# KiCad board SF_01 Compute Board.kicad_pcb
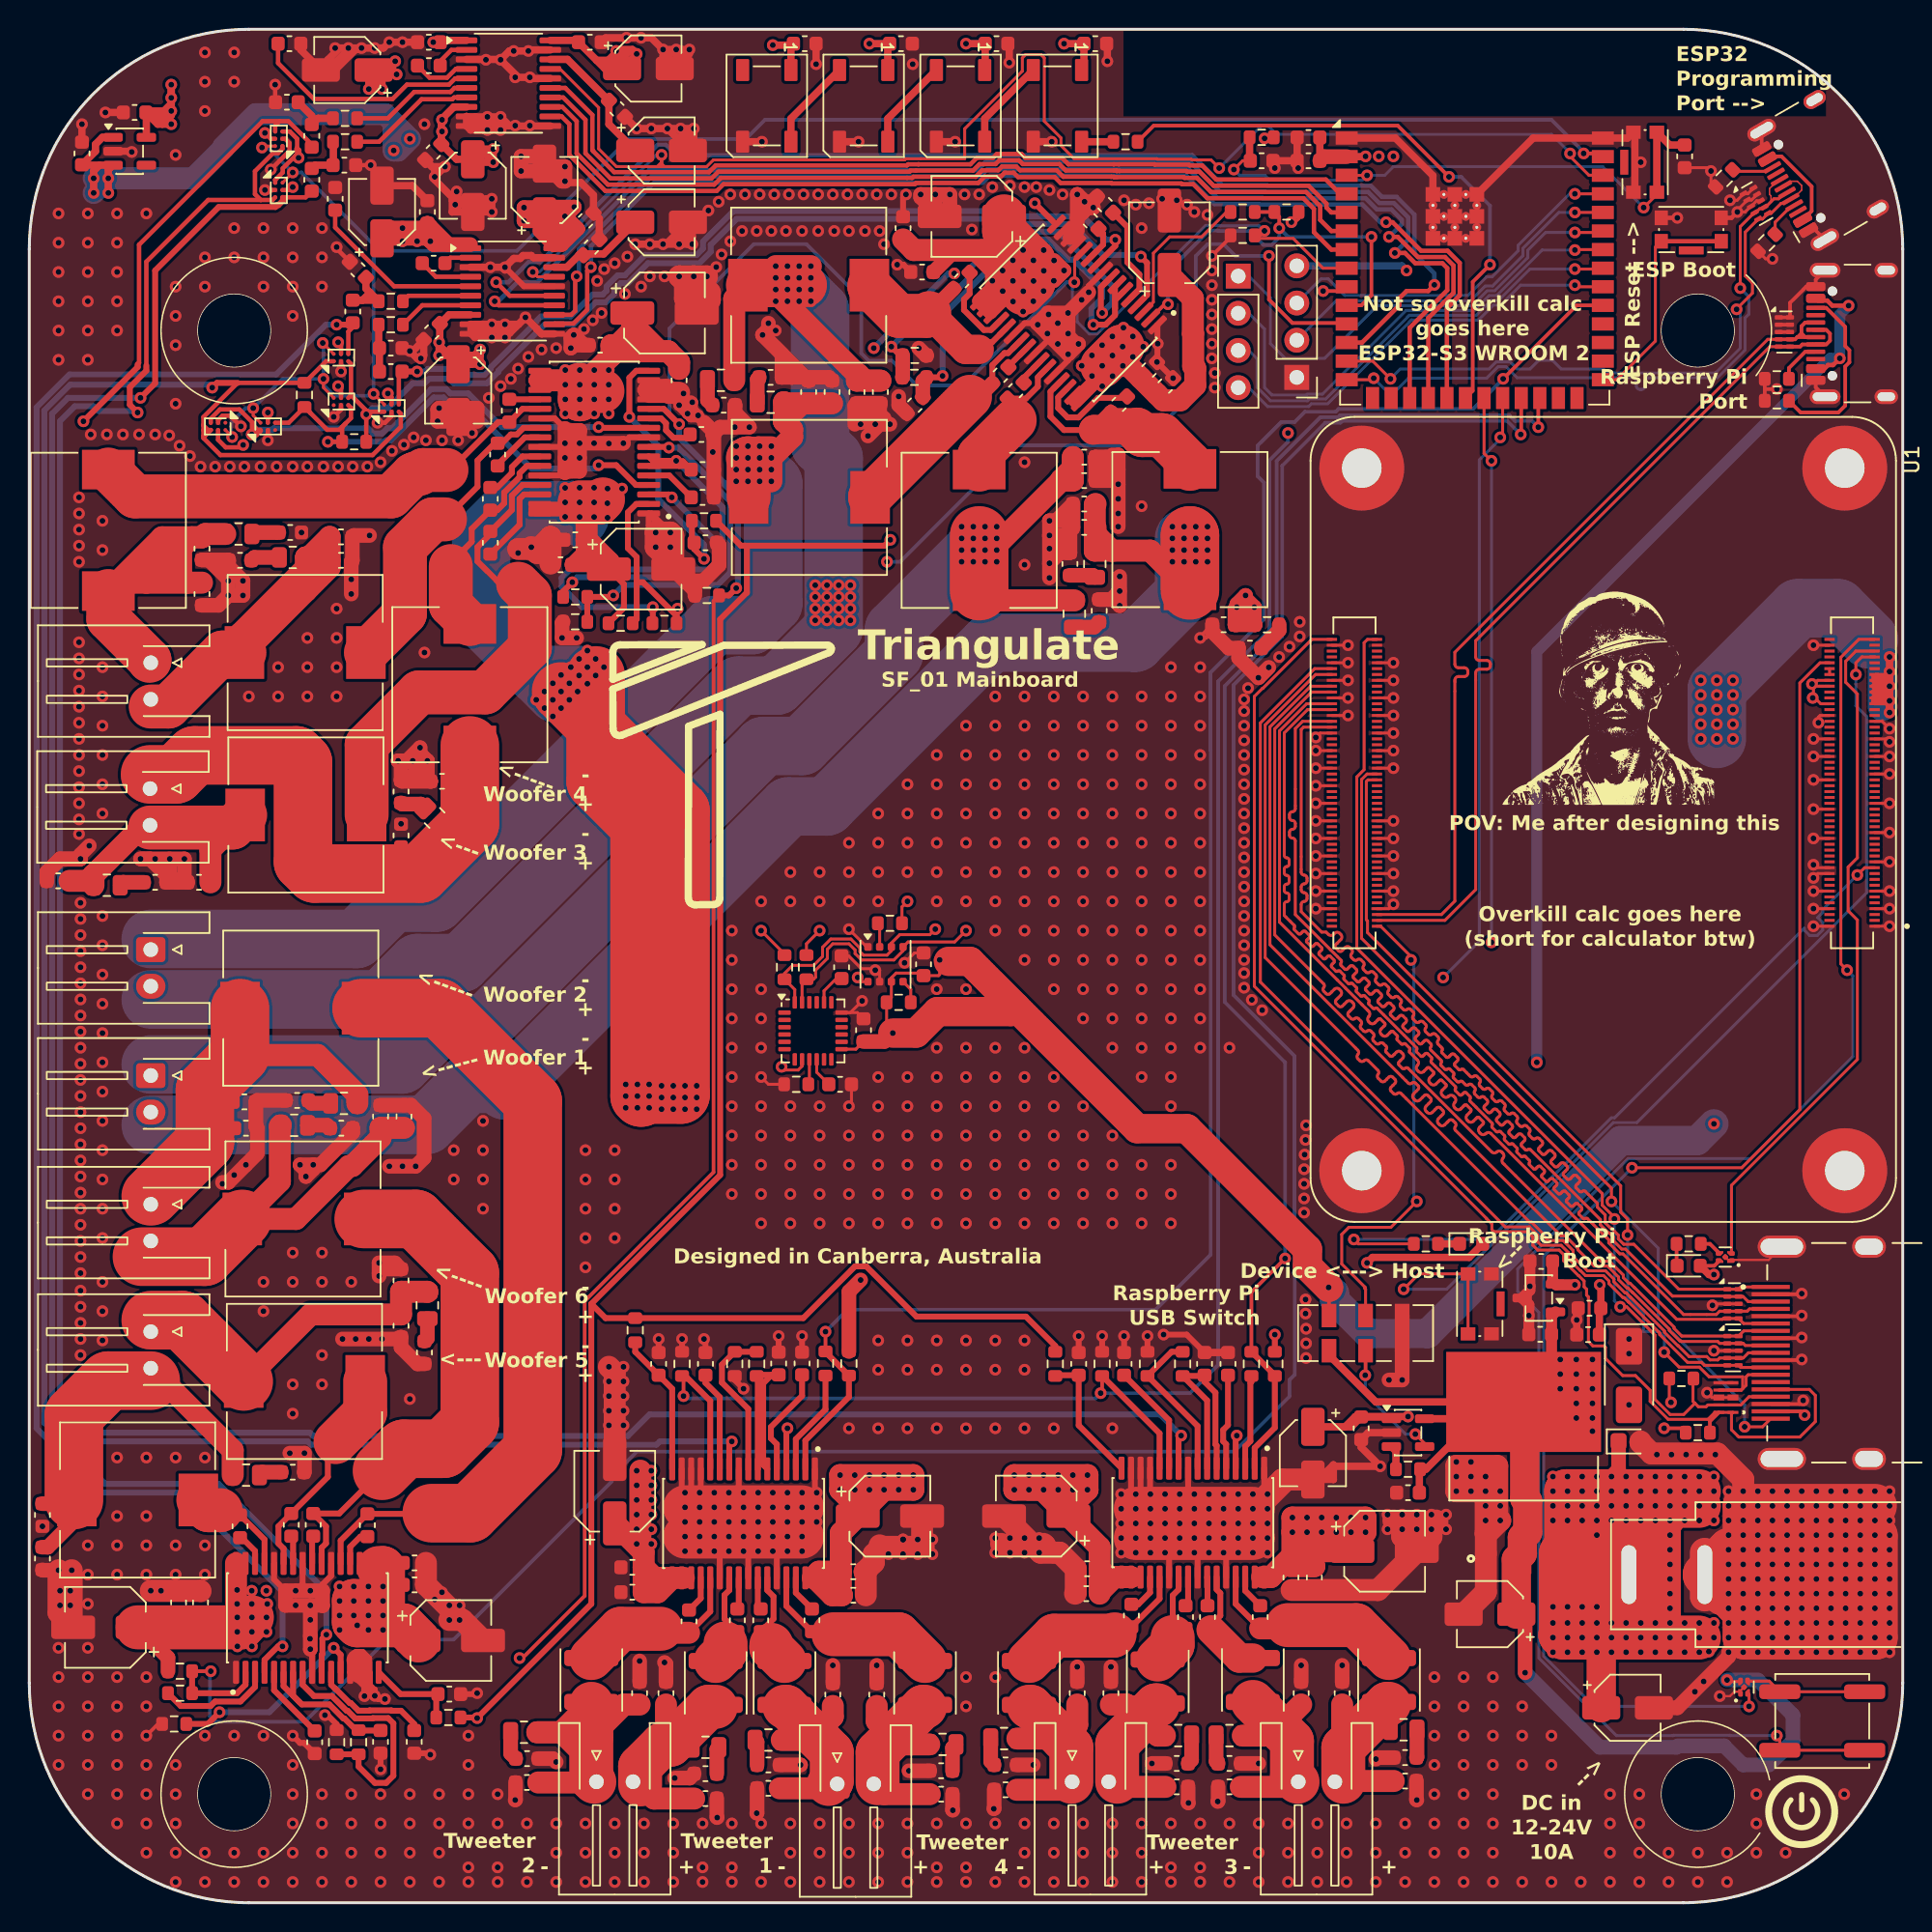
[diagram p0: board, top side]
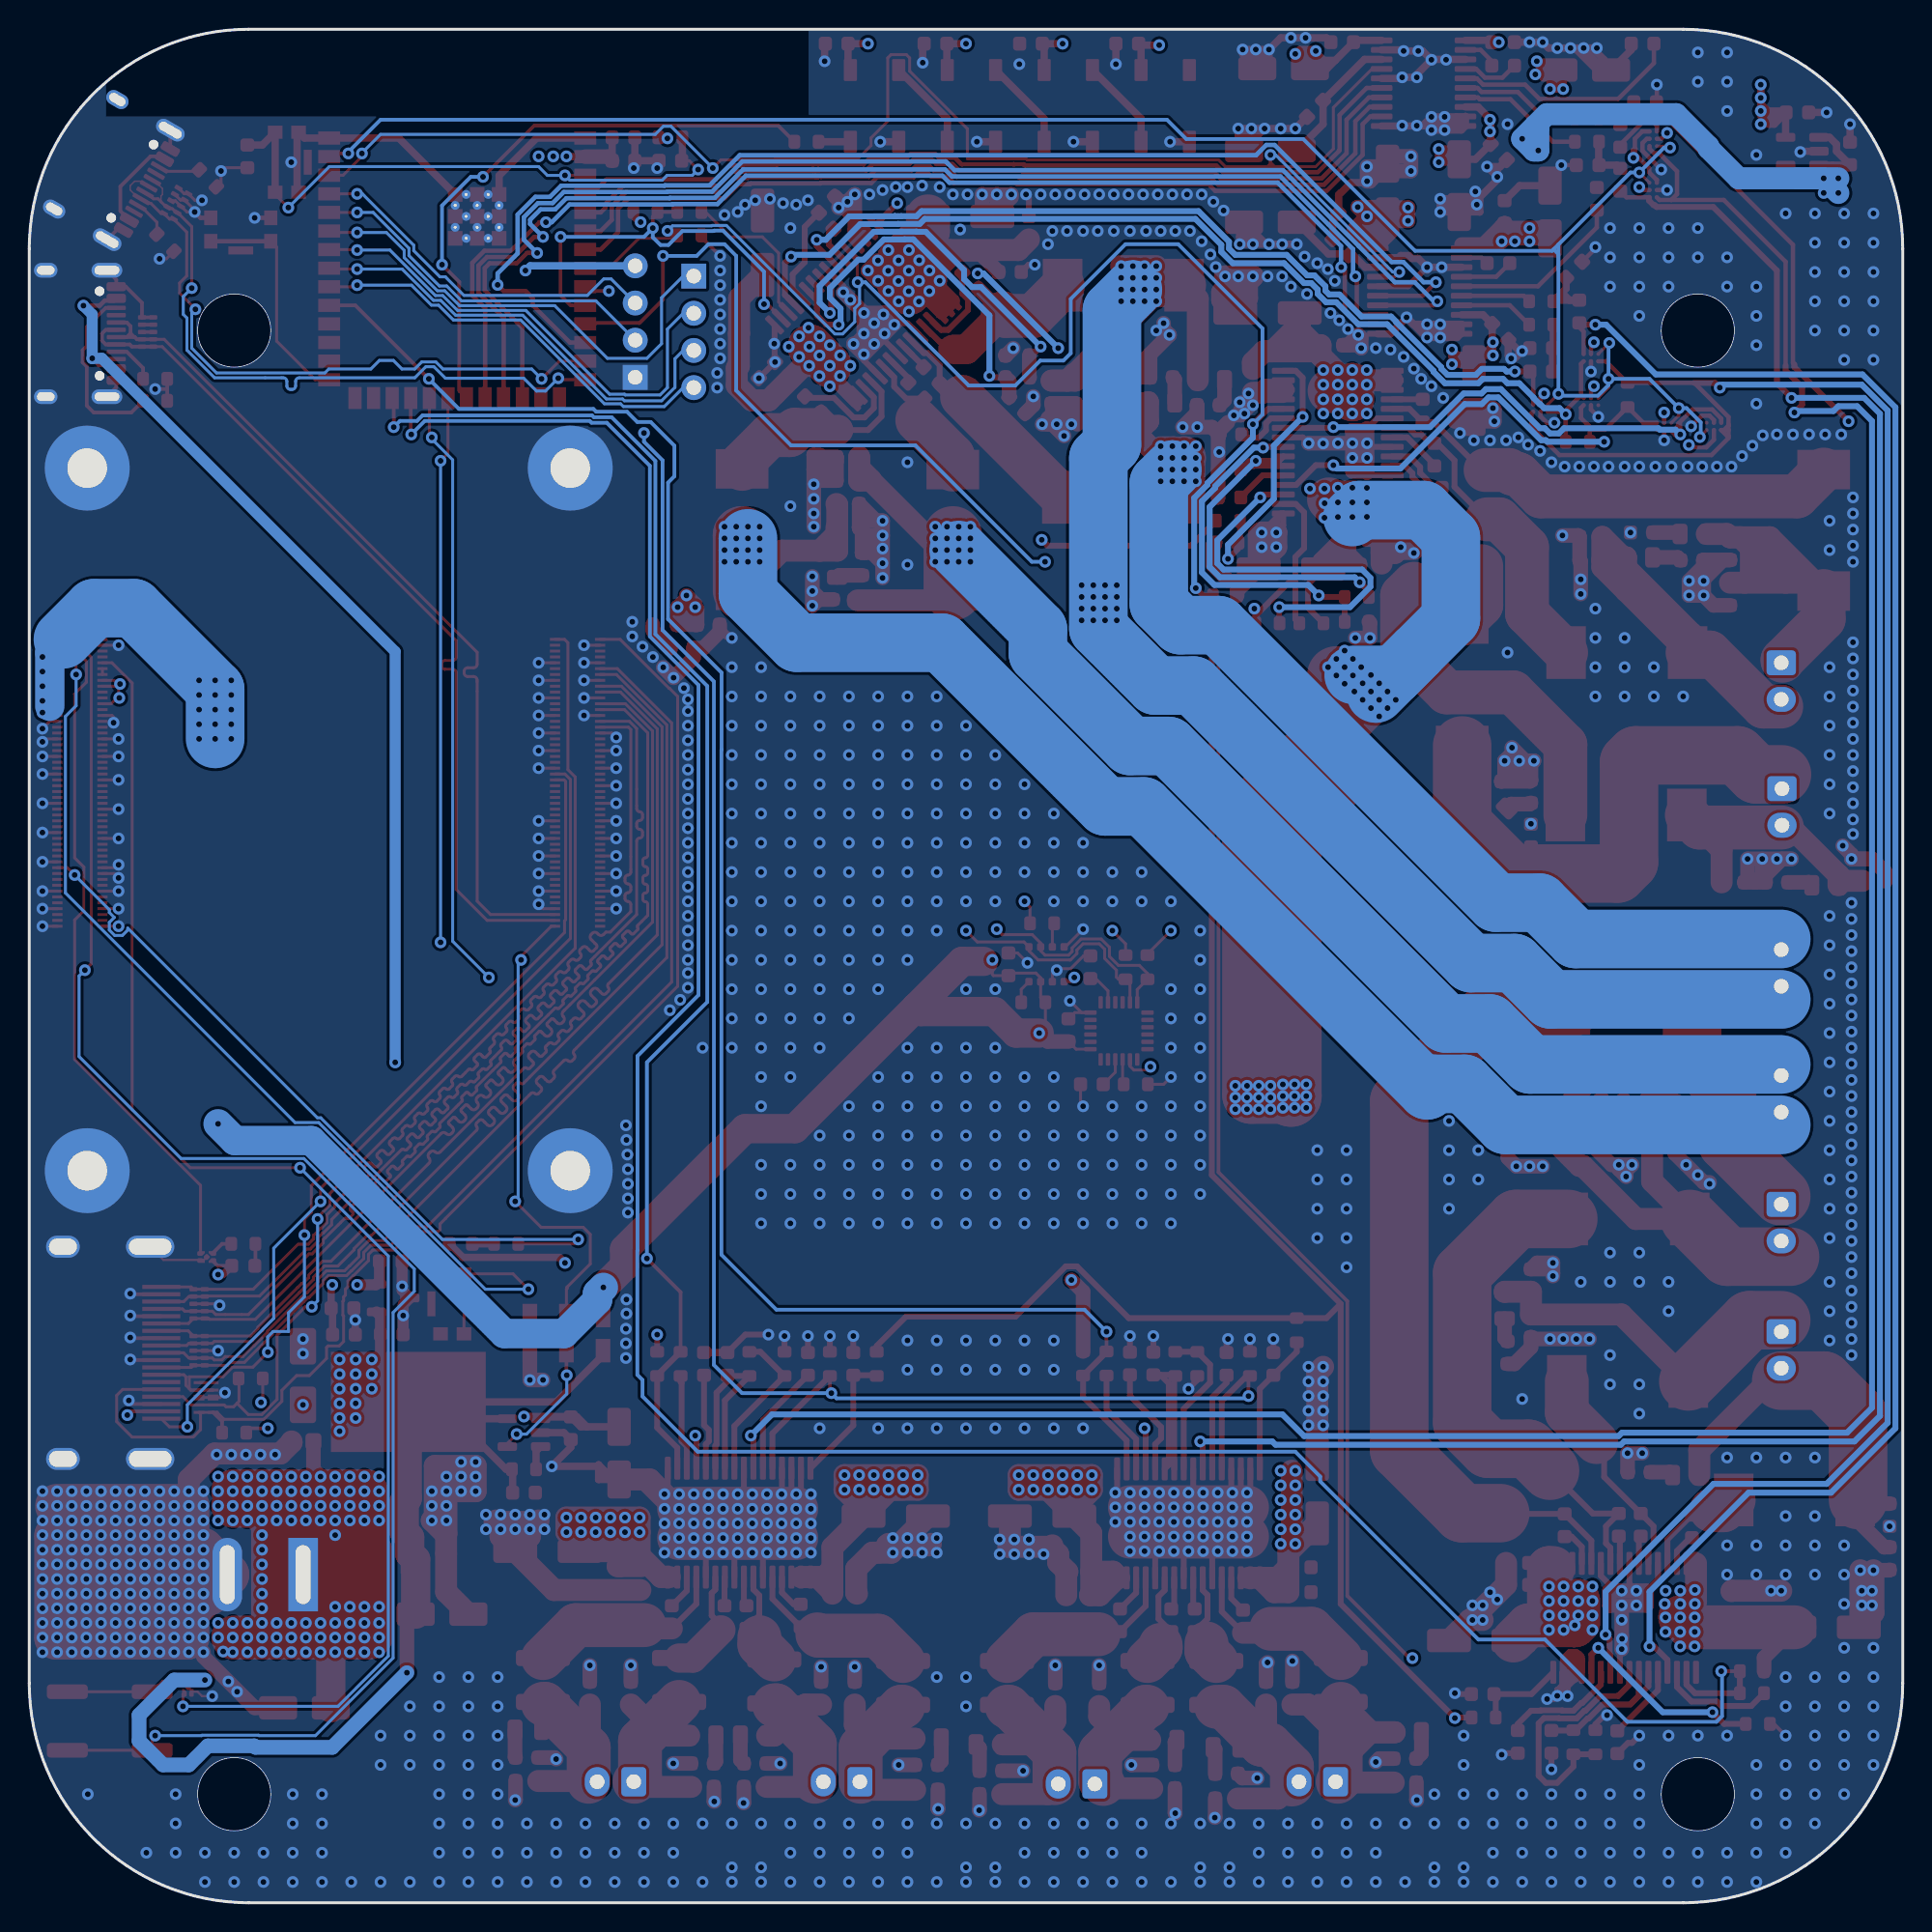
[diagram p1: board, bottom side, seen from below]

Outline 128 x 128 mm; copper layers: Top, In1.Cu, In2.Cu, Bottom. Coordinates in mm from the lower left corner of the outline.
Outline path: circle c14,107.42 r2.5 ; circle c14,7.42 r2.5 ; circle c114,107.42 r2.5 ; circle c114,7.42 r2.5 ; 0,113 arc(4.39,123.61) 15,128 113,128 arc(123.61,123.61) 128,113 128,15 arc(123.61,4.39) 113,0 15,0 arc(4.39,4.39) 0,15 0,113
Stack: Top 0.035mm / dielectric 0.1mm FR4 er 4.5 / In1.Cu 0.035mm / dielectric 1.24mm FR4 er 4.5 / In2.Cu 0.035mm / dielectric 0.1mm FR4 er 4.5 / Bottom 0.035mm

## Placement (name value [footprint] x y rotation side)
C1  100nF  [C_0603_1608Metric]  106.5 38.82 180 top
C2  1uF  [C_0603_1608Metric]  106.6 40.62 180 top
C3  10uF  [CP_Elec_4x3]  109.2 13.32 0 top
C4  100nF  [C_0603_1608Metric]  103.23 38.84 180 top
C5  100nF  [C_0603_1608Metric]  103.3 43.82 180 top
C6  22uF  [C_0603_1608Metric]  87.4 119.02 180 top
C7  100nF  [C_0603_1608Metric]  87.4 120.61 180 top
C8  1uF  [C_0603_1608Metric]  84.2 119.02 180 top
C9  100nF  [C_0603_1608Metric]  113.1 119.32 270 top
C10  2.2nF  [C_0603_1608Metric]  21.53 118.72 0 top
C11  2.2nF  [C_0603_1608Metric]  17.6 123.02 0 top
C12  1uF  [C_0603_1608Metric]  3.6 119.52 270 top
C13  1uF  [C_0603_1608Metric]  7.2 122.32 0 top
C14  100nF  [C_0603_1608Metric]  27.6 119.62 45 top
C15  10uF  [CP_Elec_4x3]  30.3 117.32 270 top
C16  10uF  [CP_Elec_4x3]  21.72 125.22 180 top
C17  100nF  [C_0603_1608Metric]  27.3 127.12 0 top
C18  10uF  [CP_Elec_4x3]  42.3 125.32 0 top
C19  100nF  [C_0603_1608Metric]  38.3 127.12 180 top
C20  2.2uF  [C_0603_1608Metric]  27.3 125.52 180 top
C21  2.2uF  [C_0603_1608Metric]  17.78 127.02 0 top
C22  10uF  [CP_Elec_4x3]  43.2 119.72 0 top
C23  100nF  [C_0603_1608Metric]  40.15 122.56 135 top
C24  10nF  [C_0603_1608Metric]  81.6 87.32 180 top
C25  10uF  [CP_Elec_4x3]  35.2 117.02 90 top
C26  100nF  [C_0603_1608Metric]  38 114.92 225 top
C27  10uF  [CP_Elec_4x3]  24.1 115.52 90 top
C28  100nF  [C_0603_1608Metric]  27.2 115.52 270 top
C29  2.2uF  [C_0603_1608Metric]  27.62 112.02 180 top
C30  2.2uF  [C_0603_1608Metric]  20.9 116.42 90 top
C31  100nF  [C_0603_1608Metric]  27.5 107.32 45 top
C32  10uF  [CP_Elec_4x3]  29.3 103.32 270 top
C33  10uF  [CP_Elec_4x3]  43.2 114.82 0 top
C34  100nF  [C_0603_1608Metric]  38.4 113.12 225 top
C35  2.2nF  [C_0603_1608Metric]  22.45 111.56 315 top
C36  2.2nF  [C_0603_1608Metric]  24.7 106.22 0 top
C37  100nF  [C_0603_1608Metric]  52.98 127.02 180 top
C38  100nF  [C_0603_1608Metric]  59.56 127.02 180 top
C39  100nF  [C_0603_1608Metric]  66.08 127.02 180 top
C40  10uF  [CP_Elec_4x3]  99.8 19.72 180 top
C41  10uF (Tantalum)  [CP_EIA-1608-08_AVX-J]  109.3 31.52 0 top
C42  100nF  [C_0603_1608Metric]  72.83 127.02 180 top
C43  100nF  [C_0603_1608Metric]  83.4 85.72 180 top
C44  1uF  [C_0603_1608Metric]  73.5 116.02 315 top
C45  100nF  [C_0603_1608Metric]  94.2 28.02 0 top
C46  1uF  [C_0603_1608Metric]  72.5 114.92 315 top
C47  100nF  [C_0603_1608Metric]  91 32.42 90 top
C48  1uF  [C_0603_1608Metric]  60.5 102.32 45 top
C49  1nF  [C_0603_1608Metric]  61 111.42 180 top
C50  100nF  [C_0603_1608Metric]  59.7 114.42 90 top
C51  220uF  [CP_Elec_5x5.3]  64.4 115.22 180 top
C52  1nF  [C_0603_1608Metric]  76.5 104.72 45 top
C53  100nF  [C_0603_1608Metric]  77.6 103.62 45 top
C54  220uF  [CP_Elec_5x5.3]  77.9 113.42 90 top
C55  220nF  [C_0603_1608Metric]  74.45 102.37 225 top
C56  220nF  [C_0603_1608Metric]  67.4 103.31 225 top
C57  220nF  [C_0603_1608Metric]  66.35 104.36 225 top
C58  220nF  [C_0603_1608Metric]  63.7 110.82 225 top
C59  680nF  [C_0603_1608Metric]  72.07 93.97 0 top
C60  680nF  [C_0603_1608Metric]  72.07 97.17 0 top
C61  1nF  [C_0603_1608Metric]  72.07 95.57 0 top
C62  1nF  [C_0603_1608Metric]  72.07 98.77 0 top
C63  10nF  [C_0603_1608Metric]  73.1 88.27 90 top
C64  10nF  [C_0603_1608Metric]  71.1 91.47 270 top
C65  680nF  [C_0603_1608Metric]  54.85 103.22 270 top
C66  680nF  [C_0603_1608Metric]  56.55 103.22 270 top
C67  1nF  [C_0603_1608Metric]  53.25 103.22 270 top
C68  1nF  [C_0603_1608Metric]  58.15 103.22 270 top
C69  10nF  [C_0603_1608Metric]  50.65 104.22 180 top
C70  10nF  [C_0603_1608Metric]  47.45 102.32 0 top
C71  2.2nF  [C_0603_1608Metric]  55.5 63.92 90 top
C72  100nF  [C_0603_1608Metric]  55.4 55.92 0 top
C73  22uF  [CP_Elec_4x3]  87.7 30.72 270 top
C75  1uF  [C_0603_1608Metric]  46 97.92 180 top
C76  1uF  [C_0603_1608Metric]  46 96.02 180 top
C77  1uF  [C_0603_1608Metric]  45.92 100.32 180 top
C78  220uF  [CP_Elec_5x5.3]  43.4 108.62 0 top
C79  1nF  [C_0603_1608Metric]  37.3 93.12 180 top
C80  100nF  [C_0603_1608Metric]  44.4 104.02 270 top
C81  100nF  [C_0603_1608Metric]  36.3 91.42 180 top
C82  1nF  [C_0603_1608Metric]  39 106.42 180 top
C83  220uF  [CP_Elec_5x5.3]  41.8 91.12 0 top
C84  220nF  [C_0603_1608Metric]  31.5 92.92 90 top
C85  220nF  [C_0603_1608Metric]  31.5 95.92 270 top
C86  220nF  [C_0603_1608Metric]  32 98.94 90 top
C87  220nF  [C_0603_1608Metric]  32.8 101.94 270 top
C88  680nF  [C_0603_1608Metric]  11.6 69.72 0 top
C89  680nF  [C_0603_1608Metric]  28.2 76.62 180 top
C90  680nF  [C_0603_1608Metric]  21.3 91.72 180 top
C91  680nF  [C_0603_1608Metric]  11.8 89.42 270 top
C92  1nF  [C_0603_1608Metric]  1.97 69.82 0 top
C93  1nF  [C_0603_1608Metric]  25.4 72.92 90 top
C94  1nF  [C_0603_1608Metric]  21.3 93.32 180 top
C95  1nF  [C_0603_1608Metric]  11.8 92.52 270 top
C96  10nF  [C_0603_1608Metric]  8.6 69.72 180 top
C97  10nF  [C_0603_1608Metric]  25.4 75.92 90 top
C98  10nF  [C_0603_1608Metric]  14.4 91.72 0 top
C99  10nF  [C_0603_1608Metric]  17.83 93.62 0 top
C102  1uF  [C_0603_1608Metric]  24 10.99 90 top
C103  1uF  [C_0603_1608Metric]  19.5 10.97 90 top
C104  220uF  [CP_Elec_5x5.3]  5.2 18.82 180 top
C105  1uF  [C_0603_1608Metric]  26.3 10.99 90 top
C106  100nF  [C_0603_1608Metric]  10.2 20.52 90 top
C107  1nF  [C_0603_1608Metric]  11.7 20.52 90 top
C108  1nF  [C_0603_1608Metric]  26.33 23.22 0 top
C109  100nF  [C_0603_1608Metric]  26.33 21.72 0 top
C110  220uF  [CP_Elec_5x5.3]  28.8 17.92 0 top
C111  220nF  [C_0603_1608Metric]  14.4 25.72 90 top
C112  220nF  [C_0603_1608Metric]  17.9 25.82 90 top
C113  220nF  [C_0603_1608Metric]  19.4 25.82 90 top
C114  220nF  [C_0603_1608Metric]  23.1 25.79 90 top
C115  680nF  [C_0603_1608Metric]  0.9 23.52 90 top
C116  680nF  [C_0603_1608Metric]  25.4 42.52 90 top
C117  680nF  [C_0603_1608Metric]  25.6 53.72 270 top
C118  680nF  [C_0603_1608Metric]  14.7 54.72 0 top
C119  1nF  [C_0603_1608Metric]  0.9 26.49 90 top
C120  1nF  [C_0603_1608Metric]  25.4 39.42 270 top
C121  1nF  [C_0603_1608Metric]  24 53.72 270 top
C122  1nF  [C_0603_1608Metric]  14.8 52.92 0 top
C123  10nF  [C_0603_1608Metric]  18 29.42 180 top
C124  10nF  [C_0603_1608Metric]  27 37.59 270 top
C125  10nF  [C_0603_1608Metric]  21.33 52.92 180 top
C126  10nF  [C_0603_1608Metric]  18.3 54.82 180 top
C127  1nF  [C_0603_1608Metric]  46.2 92.92 0 top
C128  1nF  [C_0603_1608Metric]  28.7 14.25 0 top
C131  1uF  [C_0603_1608Metric]  51.2 36.84 270 top
C132  1uF  [C_0603_1608Metric]  52.8 36.84 270 top
C133  220uF  [CP_Elec_5x5.3]  40 28.12 90 top
C134  1uF  [C_0603_1608Metric]  46.2 36.82 270 top
C135  100nF  [C_0603_1608Metric]  41.2 22.92 180 top
C136  1nF  [C_0603_1608Metric]  41.2 21.22 180 top
C137  1nF  [C_0603_1608Metric]  56.3 22.62 0 top
C138  100nF  [C_0603_1608Metric]  56.3 21.01 0 top
C139  220uF  [CP_Elec_5x5.3]  58.8 26.42 0 top
C140  1nF  [C_0603_1608Metric]  43 36.82 90 top
C141  220nF  [C_0603_1608Metric]  53.47 19.3 270 top
C142  220nF  [C_0603_1608Metric]  49.97 19.3 270 top
C143  220nF  [C_0603_1608Metric]  48.38 19.3 270 top
C144  220nF  [C_0603_1608Metric]  45.08 19.22 270 top
C145  680nF  [C_0603_1608Metric]  62.3 7.42 180 top
C146  680nF  [C_0603_1608Metric]  50.5 7.82 180 top
C147  680nF  [C_0603_1608Metric]  43.5 14.32 270 top
C148  680nF  [C_0603_1608Metric]  41.7 14.32 90 top
C149  1nF  [C_0603_1608Metric]  57.9 14.22 270 top
C150  1nF  [C_0603_1608Metric]  54.9 14.22 90 top
C151  1nF  [C_0603_1608Metric]  46.2 7.12 180 top
C152  1nF  [C_0603_1608Metric]  34 8.22 180 top
C153  10nF  [C_0603_1608Metric]  62.3 9.02 0 top
C154  10nF  [C_0603_1608Metric]  50.5 9.42 0 top
C155  10nF  [C_0603_1608Metric]  46.2 8.82 0 top
C156  10nF  [C_0603_1608Metric]  34.01 9.85 0 top
C157  1uF  [C_0603_1608Metric]  19.3 117.72 270 top
C158  1uF  [C_0603_1608Metric]  19.3 120.72 270 top
C159  1uF  [C_0603_1608Metric]  80.3 36.82 270 top
C160  1uF  [C_0603_1608Metric]  81.9 36.82 270 top
C161  220uF  [CP_Elec_5x5.3]  92.6 24.02 0 top
C162  1uF  [C_0603_1608Metric]  74.8 36.82 270 top
C163  100nF  [C_0603_1608Metric]  86.2 22.22 270 top
C164  1nF  [C_0603_1608Metric]  87.8 22.22 270 top
C165  1nF  [C_0603_1608Metric]  72.28 22.82 180 top
C166  100nF  [C_0603_1608Metric]  72.22 21.12 180 top
C167  220uF  [CP_Elec_5x5.3]  68.8 26.42 180 top
C168  1nF  [C_0603_1608Metric]  71.7 36.82 90 top
C169  220nF  [C_0603_1608Metric]  84.1 19.52 270 top
C170  220nF  [C_0603_1608Metric]  80.5 19.52 270 top
C171  220nF  [C_0603_1608Metric]  79 19.52 270 top
C172  220nF  [C_0603_1608Metric]  75.3 19.62 270 top
C173  680nF  [C_0603_1608Metric]  94 8.32 180 top
C174  680nF  [C_0603_1608Metric]  82 7.92 180 top
C175  680nF  [C_0603_1608Metric]  78.4 7.92 180 top
C176  680nF  [C_0603_1608Metric]  66.7 7.72 180 top
C177  1nF  [C_0603_1608Metric]  89.7 14.32 270 top
C178  1nF  [C_0603_1608Metric]  86.9 14.32 90 top
C179  1nF  [C_0603_1608Metric]  73.9 14.32 270 top
C180  1nF  [C_0603_1608Metric]  71.6 14.32 90 top
C181  10nF  [C_0603_1608Metric]  94 9.92 0 top
C182  10nF  [C_0603_1608Metric]  82 9.52 0 top
C183  10nF  [C_0603_1608Metric]  78.4 9.52 0 top
C184  10nF  [C_0603_1608Metric]  66.7 9.42 0 top
C185  100nF  [C_0603_1608Metric]  57 59.62 90 top
C186  100nF  [C_0603_1608Metric]  61.1 64.12 90 top
C188  1uF  [C_0603_1608Metric]  22.1 108.72 270 top
C190  1uF  [C_0603_1608Metric]  24.7 104.62 0 top
CR1  SP3010-04UTG  [UDFEN-10_MO229_LTF]  115.92 34.52 180 top
D1  SMAJ33CA  [D_SMA]  109.3 36.02 270 top
D2  WS2812B  [LED_WS2812B_PLCC4_5.0x5.0mm_P3.2mm]  70.25 122.77 270 top
D3  LED  [LED_0603_1608Metric]  98.51 45.02 0 top
D4  LED  [LED_0603_1608Metric]  113.38 43.52 0 top
D5  WS2812B  [LED_WS2812B_PLCC4_5.0x5.0mm_P3.2mm]  63.63 122.77 270 top
D6  WS2812B  [LED_WS2812B_PLCC4_5.0x5.0mm_P3.2mm]  57.01 122.77 270 top
D7  WS2812B  [LED_WS2812B_PLCC4_5.0x5.0mm_P3.2mm]  50.39 122.77 270 top
G***  -  [LOGO]  107.6 82.52 0 top
G***#2  -  [LOGO]  121.1 6.22 0 top
J1  SS-53200-001  [STEWART_SS-53200-001]  125.7 37.57 90 top
J2  Barrel_Jack  [BarrelJack_SwitchcraftConxall_RAPC10U_Horizontal]  109.29 22.42 180 top
J3  UART  [PinHeader_1x04_P2.54mm_Vertical]  86.6 104.22 180 top
J4  JTAG  [PinHeader_1x04_P2.54mm_Vertical]  82.6 111.14 0 top
J5  SUBWOOFER_1  [JST_XH_S2B-XH-A-1_1x02_P2.50mm_Horizontal]  8.3 56.52 270 top
J6  SUBWOOFER_2  [JST_XH_S2B-XH-A-1_1x02_P2.50mm_Horizontal]  8.3 65.12 270 top
J7  SUBWOOFER_3  [JST_XH_S2B-XH-A-1_1x02_P2.50mm_Horizontal]  8.25 76.12 270 top
J8  SUBWOOFER_4  [JST_XH_S2B-XH-A-1_1x02_P2.50mm_Horizontal]  8.3 84.72 270 top
J9  SUBWOOFER_5  [JST_XH_S2B-XH-A-1_1x02_P2.50mm_Horizontal]  8.3 39.02 270 top
J10  SUBWOOFER_6  [JST_XH_S2B-XH-A-1_1x02_P2.50mm_Horizontal]  8.3 47.72 270 top
J11  TWEETER_1  [JST_XH_S2B-XH-A-1_1x02_P2.50mm_Horizontal]  55.2 8.12 0 top
J12  TWEETER_2  [JST_XH_S2B-XH-A-1_1x02_P2.50mm_Horizontal]  38.75 8.27 0 top
J13  TWEETER_3  [JST_XH_S2B-XH-A-1_1x02_P2.50mm_Horizontal]  86.7 8.27 0 top
J14  TWEETER_4  [JST_XH_S2B-XH-A-1_1x02_P2.50mm_Horizontal]  71.25 8.27 0 top
J15  USB_C_Receptacle_USB2.0_16P  [USB_C_Receptacle_HCTL_HC-TYPE-C-16P-01A]  125.8 107.22 90 top
J16  USB_C_Receptacle_USB2.0_16P  [USB_C_Receptacle_HCTL_HC-TYPE-C-16P-01A#2]  123.21 118.92 120 top
L1  10uH/10A  [L_10.4x10.4_H4.8]  79.3 93.82 270 top
L2  10uH/10A  [L_10.4x10.4_H4.8]  64.9 93.77 270 top
L3  10uH/10A  [L_10.4x10.4_H4.8]  53.3 96.02 180 top
L4  10uH/10A  [L_10.4x10.4_H4.8]  53.25 110.52 180 top
L5  10uH/10A  [L_10.4x10.4_H4.8]  18.9 74.32 180 top
L6  10uH/10A  [L_10.4x10.4_H4.8]  30.1 83.22 270 top
L7  10uH/10A  [L_10.4x10.4_H4.8]  18.85 85.42 180 top
L8  10uH/10A  [L_10.4x10.4_H4.8]  5.4 93.77 270 top
L9  10uH/10A  [L_10.4x10.4_H4.8]  7.4 27.52 180 top
L10  10uH/10A  [L_10.4x10.4_H4.8]  18.8 35.62 180 top
L11  10uH/10A  [L_10.4x10.4_H4.8]  18.7 46.72 180 top
L12  10uH/10A  [L_10.4x10.4_H4.8]  18.55 61.12 180 top
L13  10uH/3A  [L_APV_ANR4020]  61.2 15.02 270 top
L14  10uH/3A  [L_APV_ANR4020]  51.6 15.02 270 top
L15  10uH/3A  [L_APV_ANR4020]  46.9 15.02 270 top
L16  10uH/3A  [L_APV_ANR4020]  38.4 15.22 270 top
L17  10uH/3A  [L_APV_ANR4020]  92.9 15.22 270 top
L18  10uH/3A  [L_APV_ANR4020]  83.6 15.22 270 top
L19  10uH/3A  [L_APV_ANR4020]  77.1 15.12 270 top
L20  10uH/3A  [L_APV_ANR4020]  68.3 15.02 270 top
R1  2.2K  [R_0603_1608Metric]  114 32.12 180 top
R2  2.2K  [R_0603_1608Metric]  112.88 35.82 180 top
R3  5.1K  [R_0603_1608Metric]  119.4 104.12 0 top
R4  10K  [R_0603_1608Metric]  84.2 120.62 180 top
R5  1K  [R_0603_1608Metric]  95.42 45.02 0 top
R6  1K  [R_0603_1608Metric]  113.38 45.02 180 top
R7  5.1K  [R_0603_1608Metric]  118.7 113.42 45 top
R8  470R  [R_0603_1608Metric]  21.58 121.92 180 top
R9  470R  [R_0603_1608Metric]  21.58 120.32 180 top
R10  470R  [R_0603_1608Metric]  24.7 109.42 180 top
R11  470R  [R_0603_1608Metric]  24.7 107.82 180 top
R12  10K  [R_0603_1608Metric]  94.2 29.62 180 top
R14  220R  [R_0603_1608Metric]  74.9 120.32 0 top
R15  3.3R  [R_0603_1608Metric]  84.57 87.32 0 top
R16  100K  [R_0603_1608Metric]  85.9 115.52 180 top
R17  100K  [R_0603_1608Metric]  82.9 115.52 0 top
R18  100K  [R_0603_1608Metric]  60.47 104.22 180 top
R19  20K  [R_0603_1608Metric]  60.5 105.72 180 top
R20  100K  [R_0603_1608Metric]  82.9 113.92 0 top
R21  3.3R  [R_0805_2012Metric]  72.8 91.47 270 top
R22  3.3R  [R_0805_2012Metric]  71.4 88.07 90 top
R23  3.3R  [R_0805_2012Metric]  50.65 102.52 180 top
R24  3.3R  [R_0805_2012Metric]  47.25 104.02 0 top
R25  10K  [R_0603_1608Metric]  46.1 94.42 180 top
R26  100K  [R_0603_1608Metric]  40.4 87.42 0 top
R27  100K  [R_0603_1608Metric]  46.3 89.32 0 top
R28  47K  [R_0603_1608Metric]  37.3 89.22 0 top
R29  75K  [R_0603_1608Metric]  37.3 87.52 0 top
R30  100K  [R_0603_1608Metric]  43.4 87.42 0 top
R31  3.3R  [R_0805_2012Metric]  5.3 69.52 0 top
R32  3.3R  [R_0805_2012Metric]  27.7 74.12 315 top
R33  3.3R  [R_0805_2012Metric]  18 91.92 180 top
R34  3.3R  [R_0805_2012Metric]  14.3 93.52 180 top
R35  100K  [R_0603_1608Metric]  10.3 15.82 0 top
R36  100K  [R_0603_1608Metric]  9.9 12.22 0 top
R37  47K  [R_0603_1608Metric]  22.5 10.97 270 top
R38  75K  [R_0603_1608Metric]  21 10.97 270 top
R39  100K  [R_0603_1608Metric]  10.3 14.32 0 top
R40  3.3R  [R_0805_2012Metric]  14.81 29.22 0 top
R41  3.3R  [R_0805_2012Metric]  27.2 40.82 90 top
R42  3.3R  [R_0805_2012Metric]  18.1 53.12 0 top
R43  3.3R  [R_0805_2012Metric]  21.5 54.62 0 top
R44  10K  [R_0603_1608Metric]  28.63 12.65 180 top
R45  100K  [R_0603_1608Metric]  56 36.84 270 top
R46  100K  [R_0603_1608Metric]  44.6 36.82 270 top
R47  47K  [R_0603_1608Metric]  49.7 36.82 90 top
R48  75K  [R_0603_1608Metric]  48.2 36.82 90 top
R49  10K  [R_0603_1608Metric]  41.4 39.12 270 top
R50  100K  [R_0603_1608Metric]  54.4 36.84 90 top
R51  3.3R  [R_0805_2012Metric]  62.4 10.82 0 top
R52  3.3R  [R_0805_2012Metric]  50.5 11.12 0 top
R53  3.3R  [R_0805_2012Metric]  46.2 10.62 0 top
R54  3.3R  [R_0805_2012Metric]  33.8 11.65 0 top
R55  100K  [R_0603_1608Metric]  85.1 36.82 270 top
R56  100K  [R_0603_1608Metric]  73.3 36.82 270 top
R57  47K  [R_0603_1608Metric]  78.8 36.82 90 top
R58  75K  [R_0603_1608Metric]  76.4 36.82 270 top
R59  10K  [R_0603_1608Metric]  70.1 36.82 270 top
R60  100K  [R_0603_1608Metric]  83.5 36.82 90 top
R61  3.3R  [R_0805_2012Metric]  93.9 11.82 0 top
R62  3.3R  [R_0805_2012Metric]  82 11.42 0 top
R63  3.3R  [R_0805_2012Metric]  78.5 11.42 0 top
R64  3.3R  [R_0805_2012Metric]  66.6 11.22 0 top
R65  5.1K  [R_0603_1608Metric]  119.4 102.62 0 top
R66  5.1K  [R_0603_1608Metric]  115.8 117.82 45 top
R67  10K  [R_0603_1608Metric]  51.6 63.92 270 top
R68  10K  [R_0603_1608Metric]  53.1 63.92 90 top
R69  10K  [R_0603_1608Metric]  52.4 55.92 180 top
R70  10K  [R_0603_1608Metric]  59.4 61.52 0 top
R71  10K  [R_0603_1608Metric]  58.8 66.92 0 top
R72  1K  [R_0603_1608Metric]  18.8 103.02 90 top
R73  1K  [R_0603_1608Metric]  22.2 99.82 180 top
SW1  POWER  [SW_Push_1P1T_NO_CK_KSC9xxJ]  122.5 12.42 0 top
SW2  PI_BOOT  [SW_Push_1P1T-SH_NO_CK_KMR2xxG]  99.1 40.92 270 top
SW3  ESP_BOOT  [SW_Push_1P1T-SH_NO_CK_KMR2xxG]  113.55 114.32 180 top
SW4  ESP_RESET  [SW_Push_1P1T-SH_NO_CK_KMR2xxG]  110.4 118.92 90 top
SW6  SW_DPDT_x2  [SW_DPDT_CK_JS202011JCQN]  91.3 38.92 0 top
U1  CM4102008  [MODULE_CM4102008]  107.54 74.02 270 top
U2  TPD4E02B04DQA  [USON-10_2.5x1.0mm_P0.5mm]  116.4 37.72 0 top
U3  TPD4E02B04DQA  [USON-10_2.5x1.0mm_P0.5mm]  116.4 40.92 0 top
U4  -  [ESP32-S3-WROOM-2]  98.76 115.31 0 top
U5  PCM5102A  [TSSOP-20_4.4x6.5mm_P0.65mm]  32.74 124.32 0 top
U6  RT9742SNGV  [SOT-23-3]  103.14 41.32 180 top
U7  TPD4E02B04DQA  [USON-10_2.5x1.0mm_P0.5mm]  119.91 107.32 0 top
U8  74LVC1G07  [Texas_X2SON-5_0.8x0.8mm_P0.48mm]  117.16 14.73 90 top
U9  74LVC1G07  [Texas_X2SON-5_0.8x0.8mm_P0.48mm]  115.88 44.12 180 top
U10  TPD4E02B04DQA  [USON-10_2.5x1.0mm_P0.5mm]  117.97 116.09 30 top
U11  LP5907MFX-3.3  [SOT-23-5]  6.86 119.67 0 top
U12  TS5A3159AYZPR  [Texas_DSBGA-6_0.9x1.4mm_Layout2x3_P0.5mm]  17.05 117.02 0 top
U13  TS5A3159AYZPR  [Texas_DSBGA-6_0.9x1.4mm_Layout2x3_P0.5mm]  21.3 105.57 90 top
U14  PCM5102A  [TSSOP-20_4.4x6.5mm_P0.65mm]  33 110.12 0 top
U15  TS5A3159AYZPR  [Texas_DSBGA-6_0.9x1.4mm_Layout2x3_P0.5mm]  21.3 102.57 90 top
U16  TS5A3159AYZPR  [Texas_DSBGA-6_0.9x1.4mm_Layout2x3_P0.5mm]  16.3 100.87 90 top
U17  TPA3116D2DAD  [SOP65P810X115-32N]  71 108.62 225 top
U18  TPA3116D2DAD  [SOP65P810X115-32N]  38.6 99.79 180 top
U19  TPA3116D2DAD  [SOP65P810X115-32N]  19 19.46 90 top
U20  TPA3130D2DAPR  [SOP65P810X115-32N]  48.8 25.92 270 top
U21  TPA3130D2DAPR  [SOP65P810X115-32N]  79.5 25.97 270 top
U22  MPU-6050  [InvenSense_QFN-24_4x4mm_P0.5mm]  53.55 59.57 0 top
U23  BME680  [Bosch_LGA-8_3x3mm_P0.8mm_ClockwisePinNumbering]  58.5 64.12 0 top
U24  TS5A3159AYZPR  [Texas_DSBGA-6_0.9x1.4mm_Layout2x3_P0.5mm]  17.05 120.52 180 top
U25  TS5A3159AYZPR  [Texas_DSBGA-6_0.9x1.4mm_Layout2x3_P0.5mm]  24.75 102.12 90 top
U26  TS5A3159AYZPR  [Texas_DSBGA-6_0.9x1.4mm_Layout2x3_P0.5mm]  12.9 100.87 270 top
U27  TPS2041B  [SOT-23-5]  94.2 32.12 0 top
VR1  LM1085ISX-5.0_NOPB  [TO254P1435X464-4N]  102.1 30.06 90 top
